# Altium PCB Proyecto_0 - V2.PcbDoc (part 5 of 6)
Units mil, origin at the board's own origin, x right, y up, seen from the top; angles counter-clockwise.
Board outline 2559.06 x 1771.65 mil, 10 copper layers (TOP, GND[1], VDD[1], Signal[1], GND[2], VDD[2], Signal[2], GND[3], VDD[3], BOT), stack 79.883 mil thick; 188 components, 257 nets, 1108 pads, 915 vias.
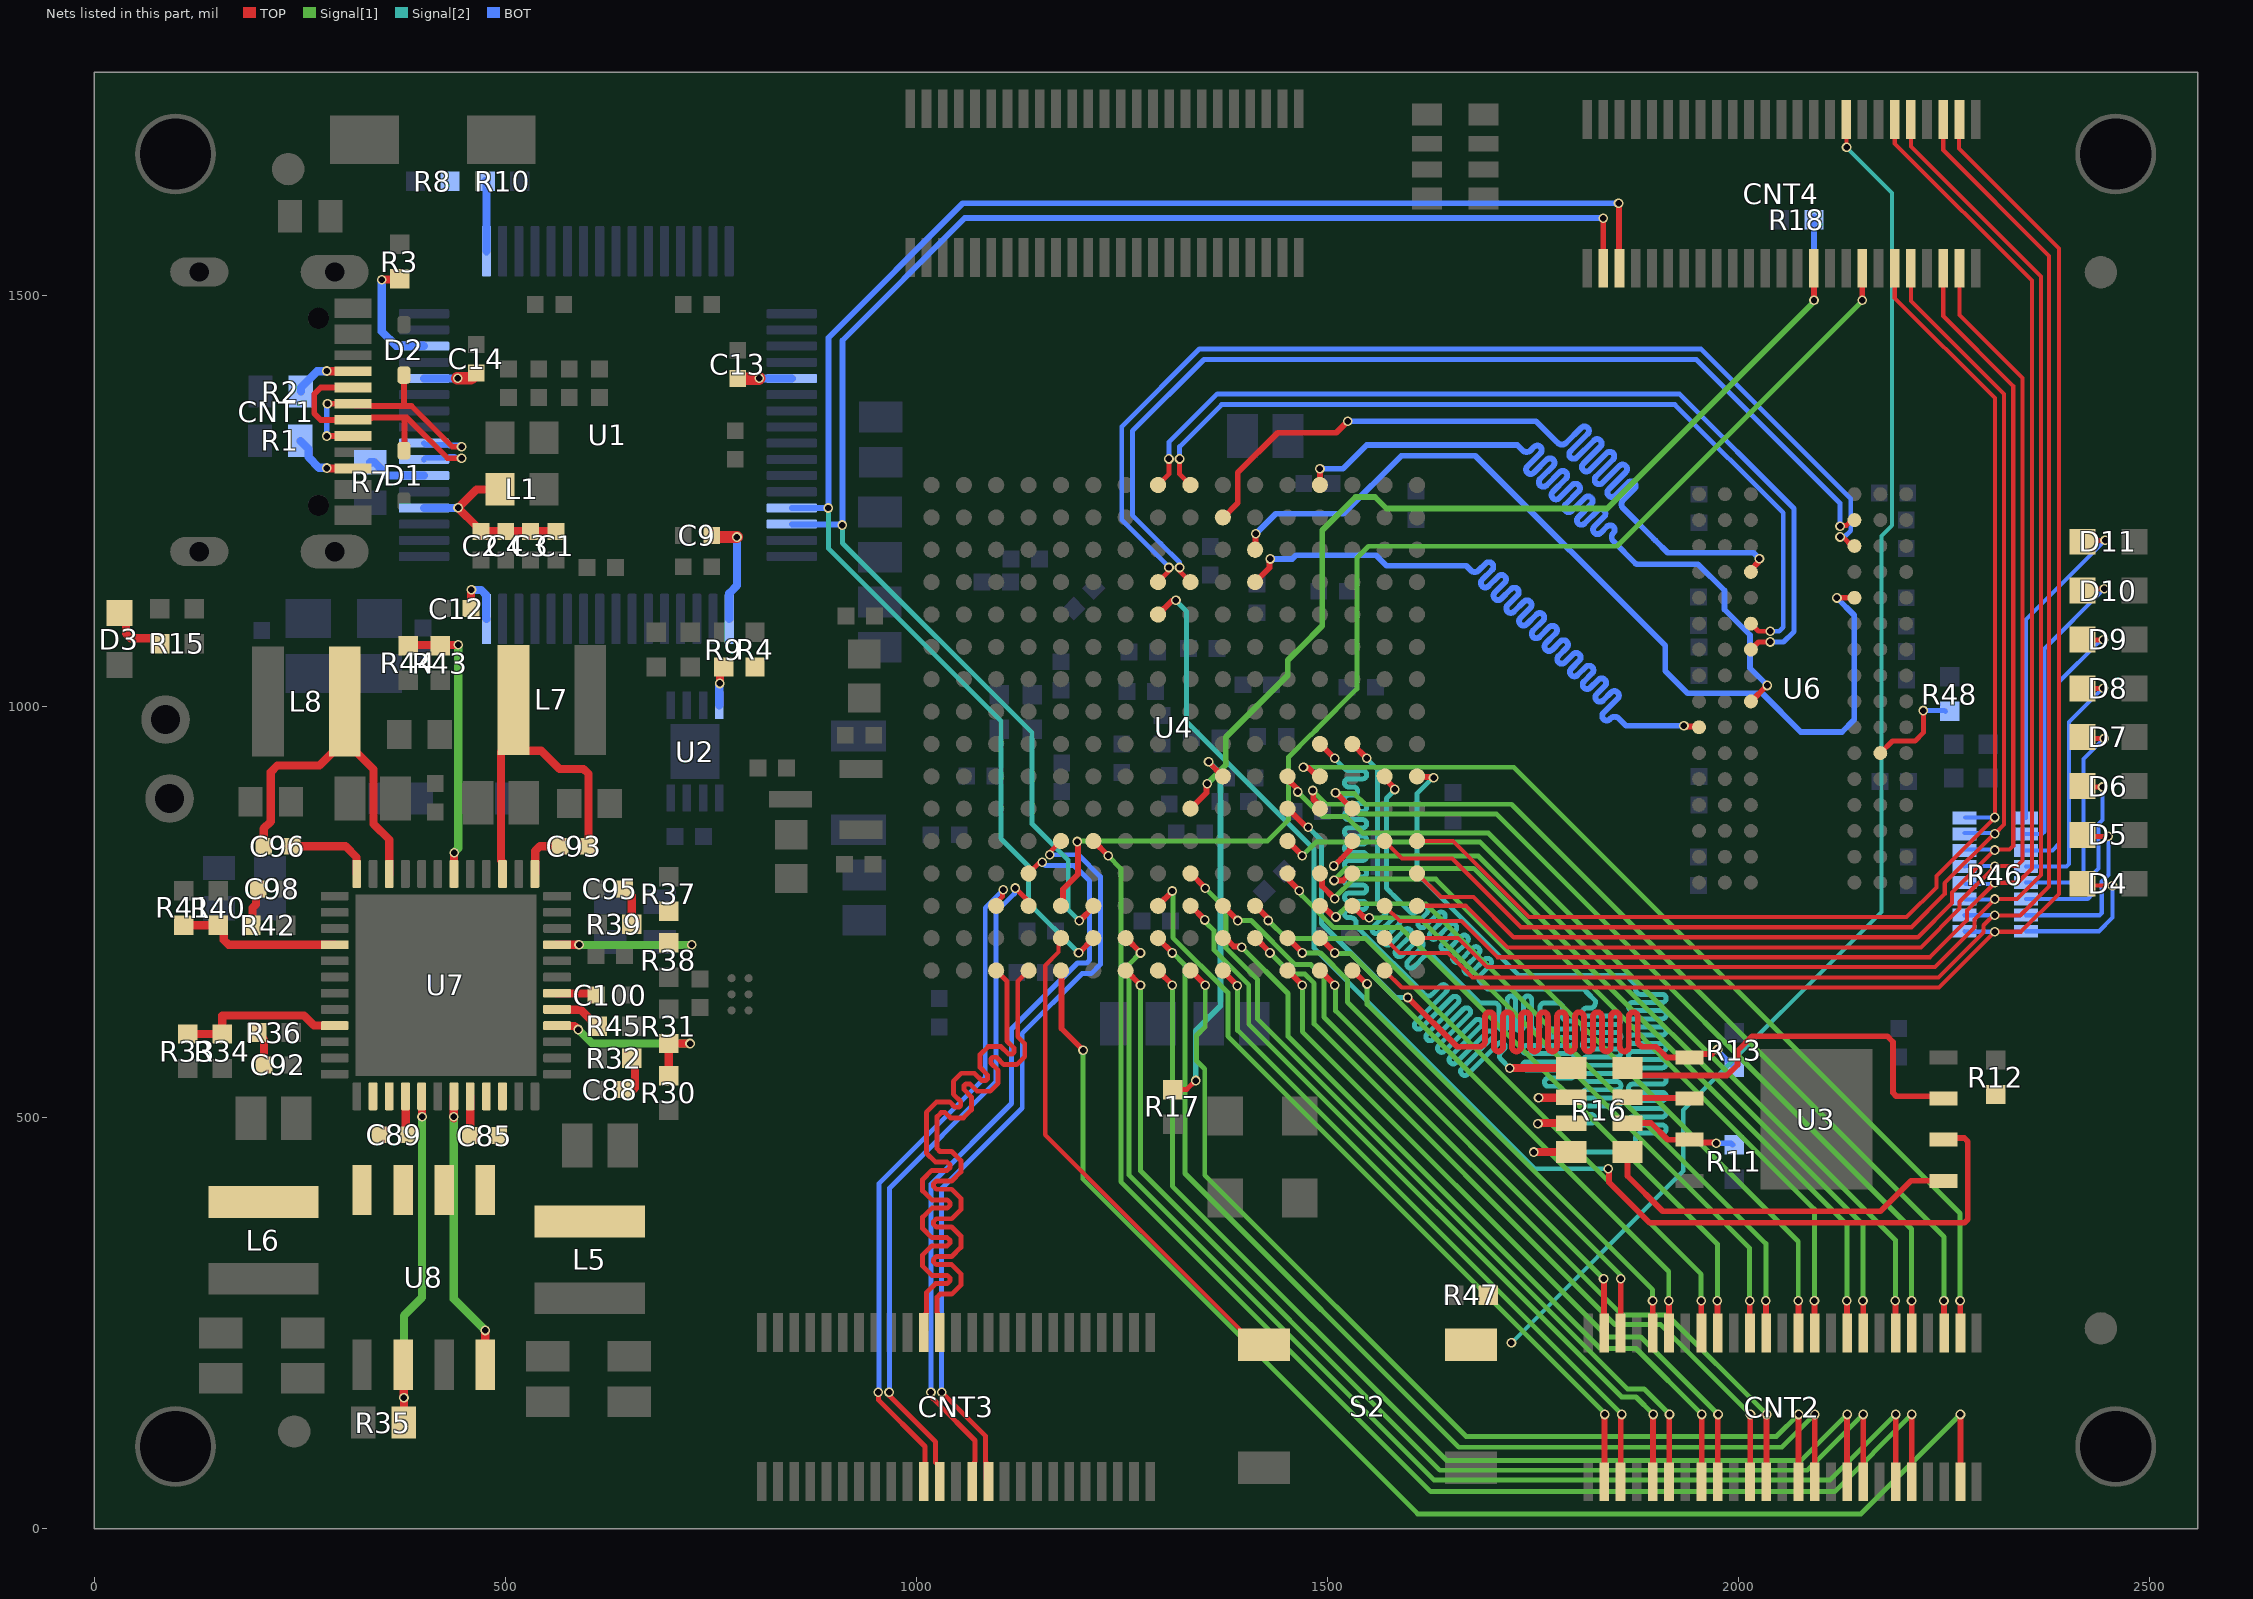
[diagram p13: the nets of this part, all layers, seen from the top]

## Via types
v1: diameter 11.81, hole 7.87, TOP to BOT, 915 vias

## Nets (pads, with @x,y where several pads share a name; then routed paths per layer and width w, separated by ;. In a path a pad name is that pad's centre, name@x,y a point inside that pad or via, vN(x,y) a via of type N, cw(c..) or ccw(c..) an arc to the next point about the centre after c; other vN are vias at no path point) (continued)
L7_N: CNT3.11 U4.T3 | length 783.6
  TOP w6: CNT3.11@1009.11,238.55 1012.02,241.46 1012.02,262.25 1012.45,262.69 1012.45,269 1012.45,286.99 1023.58,298.12 1037.8,298.12 1041.28,301.6 1041.28,304.58 1037.8,308.06 1019.02,308.06 1007.92,319.15 1007.92,332.9 1019.02,343.99 1037.8,343.99 1041.28,347.47 1041.28,350.45 1037.8,353.93 1019.02,353.93 1007.92,365.02 1007.92,378.77 1019.02,389.87 1037.8,389.87 1041.28,393.34 1041.28,396.33 1037.8,399.8 1019.02,399.8 1007.92,410.9 1007.92,424.65 1019.02,435.74 1037.8,435.74 1041.28,439.22 1041.28,442.2 1037.8,445.68 1023.58,445.68 1012.45,456.81 1012.45,469 1012.45,485.35 1012.45,506.45 1024.98,518.98 1040.72,518.98 1047.16,512.54 1052.08,512.54 1054.19,514.64 1054.19,519.56 1045.3,528.45 1045.3,544.14 1055.02,553.87 1070.71,553.87 1079.6,544.97 1084.52,544.97 1086.63,547.08 1086.63,552 1077.73,560.89 1077.73,576.58 1087.46,586.3 1103.15,586.3 1112.04,577.41 1116.96,577.41 1119.06,579.52 1119.06,584.44 1110.54,592.96 1110.54,613.63 1110.54,665.6 U4.T3@1097.35,678.78
L7_P: CNT3.12 U4.T4 | length 783.6
  TOP w6: CNT3.12@1028.8,238.55 1025.89,241.46 1025.89,262.25 1025.45,262.69 1025.45,269 1025.45,281.6 1028.97,285.12 1043.18,285.12 1054.28,296.21 1054.28,309.96 1043.18,321.06 1024.4,321.06 1020.92,324.53 1020.92,327.51 1024.4,330.99 1043.18,330.99 1054.28,342.09 1054.28,355.84 1043.18,366.93 1024.4,366.93 1020.92,370.41 1020.92,373.39 1024.4,376.87 1043.18,376.87 1054.28,387.96 1054.28,401.71 1043.18,412.8 1024.4,412.8 1020.92,416.28 1020.92,419.26 1024.4,422.74 1043.18,422.74 1054.28,433.83 1054.28,447.58 1043.18,458.68 1028.97,458.68 1025.45,462.19 1025.45,469 1025.45,472.35 1025.45,501.07 1030.36,505.98 1035.33,505.98 1041.78,499.54 1057.47,499.54 1067.19,509.26 1067.19,524.95 1058.3,533.84 1058.3,538.76 1060.41,540.87 1065.32,540.87 1074.22,531.97 1089.9,531.97 1099.63,541.7 1099.63,557.39 1090.73,566.28 1090.73,571.2 1092.84,573.3 1097.76,573.3 1106.65,564.41 1122.34,564.41 1132.06,574.14 1132.06,589.82 1123.54,598.35 1123.54,612.95 1123.54,665.6 U4.T4@1136.72,678.78
L8_N: CNT3.40 U4.P3 | length 829.6
  TOP w6: v1@954,162 954,156.62 1010.66,99.95 1010.66,59 CNT3.40@1009.11,57.45 ; U4.P3@1097.35,757.52 1097.35,761.23 1104.79,768.67 1104.79,775.89 v1(1105.91,777)
  BOT w6: v1@954,162 v1(954,166) 954.52,166.52 954.52,419.52 1084,549 1084,755.09 v1(1105.91,777)
L8_P: CNT3.39 U4.P4 | length 839.9
  TOP w6: v1@967,162 1023.66,105.34 1023.66,80.3 1028.8,75.17 CNT3.39@1028.8,57.45 ; v1(1120.48,779.09) 1134.11,765.46 1134.11,760.14 U4.P4@1136.72,757.52
  BOT w6: v1@967,162 967,164.49 968.51,166 967.52,166.99 967.52,414.13 1097,543.62 1097,749.71 1119.37,772.08 1119.37,777.98 v1(1120.48,779.09)
  other v1: 967,166
L9_N: CNT3.37 U4.N4 | length 929.9
  TOP w6: v1@1018,160.62 1025.62,153 1071.51,107.11 1071.51,81.59 1071.07,81.15 1071.07,60.35 CNT3.37@1068.17,57.45 ; v1@1018,164.65 v1@1018,167.35 ; U4.N4@1136.72,796.89 1150.23,810.4 v1(1153.4,810.4)
  BOT w6: v1@1018,163 v1(1018,166) 1018,419 1116,517 1116,607.75 1196.25,688 1207.49,688 1211,691.51 1211,787.62 1192.02,806.59 1157.21,806.59 v1(1153.4,810.4)
L9_P: CNT3.36 U4.M5 | length 943.3
  TOP w6: v1(1031,166) 1084.51,112.49 1084.51,81.59 1084.94,81.15 1084.94,60.35 CNT3.36@1087.85,57.45 ; v1(1162.59,819.59) 1162.59,822.76 U4.M5@1176.09,836.26
  BOT w6: v1@1031,163 v1(1031,166) 1031,413.62 1129,511.62 1129,602.36 1201.64,675 1212.87,675 1224,686.13 1224,793 1197.41,819.59 v1(1162.59,819.59)
L13: CNT2.17 U4.M14 | length 986
  TOP w7: v1(1508.02,806.02) 1516.59,814.59 1528,826 1528,833.84 U4.M14@1530.42,836.26 ; v1(2131.89,277) 2132.08,276.81 2132.08,238.3 CNT2.17@2132.17,238.21
  Signal[1] w6: v1(1508.02,806.02) 1520,818 1684,818 2132.06,369.95 v1@2132.06,277.17 ; v1@2131.89,276.92 v1@2132.06,277.08
LDM: U4.C11 U6.E7 | length 1128.6
  TOP w7: U4.C11@1412.31,1190.6 1412.66,1190.94 1412.66,1209.66 v1(1413,1210) ; v1(2119.92,1131.93) 2120.16,1132.17 U6.E7@2141.2,1132.17
  BOT w7: v1(1413,1210) 1437.34,1234.34 1519.47,1234.34 1590.13,1305 1680,1305 1911,1074 1911,1043 1938,1016 2029,1016 2076,969 2126,969 2141,984 2141,1110.84 v1(2119.92,1131.93)
LDQS_N: U4.A8 U6.G3 | length 1111
  TOP w6: U4.A8@1294.2,1269.34 1307.39,1282.52 v1(1307.39,1301) ; U6.G3@2015.22,1069.18 2024.46,1078.43 v1(2038.7,1078.43)
  BOT w6: v1(1307.39,1301) 1307.39,1321.39 1366.15,1380.15 1928.23,1380.15 2067.6,1240.78 2067.6,1091.04 2054.99,1078.43 v1(2038.7,1078.43)
LDQS_P: U4.A9 U6.F3 | length 1046.4
  TOP w6: v1(1320.39,1301) 1320.39,1282.52 U4.A9@1333.57,1269.34 ; U6.F3@2015.22,1100.67 2024.46,1091.43 v1(2038.7,1091.43)
  BOT w6: v1(1320.39,1301) 1320.39,1316 1371.54,1367.15 1922.85,1367.15 2054.6,1235.4 2054.6,1096.43 2049.6,1091.43 v1(2038.7,1091.43)
LED0: CNT4.49 R46.1 U4.T15 | length 1905.8
  TOP w5: U4.T15@1569.79,678.78 1590.58,658 2244,658 v1(2312,726) 2344,726 2390,772 2390,1557 2268.43,1678.57 2268.43,1713.52 CNT4.49@2268.91,1714
  BOT w5: R46.1@2275,726.57 2275.57,726 v1(2312,726)
LED1: CNT4.48 R46.2 U4.R15 | length 1902.6
  TOP w5: U4.R15@1569.79,718.15 1587.95,700 1647,700 1676.76,670.24 2243.24,670.24 2298,725 2298,733.84 2310.16,746 v1@2312,746 ; CNT4.48@2249.22,1714 2249.22,1676.78 2378,1548 2378,781 2342.86,745.86 v1(2312,745.86)
  BOT w5: R46.2@2275,746.26 2275.26,746 v1@2312,746
LED2: CNT4.46 R46.3 U4.R16 | length 1833.3
  TOP w5: U4.R16@1609.16,718.15 1659,718.15 1694.15,683 2239,683 2287,731 2287,740.71 v1(2312,765.71) 2338.71,765.71 2368,795 2368,1523 2210,1681 CNT4.46@2210,1700
  BOT w5: R46.3@2275,765.94 2275.94,765 v1@2312,765
LED3: CNT4.45 R46.4 U4.P15 | length 1882.4
  TOP w5: U4.P15@1569.79,757.52 1588.32,739 1663,739 1707,695 2233,695 2278,740 2278,751.57 v1(2312,785.57) 2339.57,785.57 2357,803 2357,1518 2190.17,1684.83 CNT4.45@2190.17,1714
  BOT w5: R46.4@2275,785.63 2276.63,784 v1@2312,784
LED4: CNT4.2 R46.5 U4.P16 | length 1595
  TOP w5: U4.P16@1609.16,757.52 1668.48,757.52 1719.04,706.96 2221.96,706.96 2269,754 2269,762.43 v1(2312,805.43) ; CNT4.2@2268.91,1532.9 2268.91,1476.09 2345.43,1399.57 2345.43,812.43 2339,806 v1@2312,806
  BOT w5: R46.5@2275,805.32 2275.69,806 v1@2312,806
LED5: CNT4.3 R46.6 U4.N16 | length 1585.2
  TOP w5: U4.N16@1609.16,796.89 1638.06,768 1678,768 1726.8,719.2 2218.2,719.2 2259.84,760.84 2259.84,773.84 2312,826 2330,826 2334.29,830.29 2334.29,1389.71 2249.22,1474.78 CNT4.3@2249.22,1532.9
  BOT w5: R46.6@2275.57,826 v1@2312,826
  other v1: 2312,825.29
LED6: CNT4.5 R46.7 U4.M15 | length 1616.7
  TOP w5: U4.M15@1569.79,836.26 1591.06,815 1652,815 1735.56,731.44 2210.44,731.44 2251,772 2251,785 v1@2312,846 ; CNT4.5@2209.85,1532.9 2209.85,1493.15 2323.14,1379.86 2323.14,856.29 v1(2312,845.14)
  BOT w5: R46.7@2275.26,846 v1@2312,846
LED7: CNT4.6 R46.8 U4.M16 | length 1554.1
  TOP w5: U4.M16@1609.16,836.26 1652.74,836.26 1745.32,743.68 2204.68,743.68 2241,780 2241,794 v1(2312,865) 2312,1375 2190.17,1496.83 CNT4.6@2190.17,1532.9
  BOT w5: R46.8@2275.94,865 v1(2312,865)
LED_1: D4.A R46.16 | length 185.8
  TOP w5: D4.A@2421,784 2423,782 v1(2455,782)
  BOT w5: R46.16@2349.8,726.57 2438.49,726.57 2455,743.09 v1(2455,782)
LED_2: D5.A R46.15 | length 220.8
  TOP w6: D5.A@2418.65,843.75 2420.4,842 v1(2450,842)
  BOT w5: R46.15@2349.8,746.26 2350.06,746 2439.07,746 2442,748.93 2442,787 2450,795 v1@2450,838 ; v1@2448,840 v1(2450,842)
LED_3: D6.A R46.14 | length 243.5
  TOP w6: D6.A@2418.65,903.18 2419.83,902 v1(2443,902)
  BOT w5: R46.14@2349.8,765.94 2424.94,765.94 2430,771 2430,795 2438,803 2438,857 2443,862 v1(2443,902)
LED_4: D7.A R46.13 | length 282.1
  TOP w6: D7.A@2418.05,962 D7.A@2418.65,962.61 2420.26,961 v1(2445,961)
  BOT w5: R46.13@2349.8,785.63 2417.07,785.63 2420,788.56 2420,936 v1(2445,961)
LED_5: D8.A R46.12 | length 311.4
  TOP w6: D8.A@2417.62,1021 D8.A@2418.65,1022.03 ; D8.A@2419.26,1022 v1(2444,1022)
  BOT w5: R46.12@2349.8,805.32 2399.07,805.32 2402,808.24 2402,981 2443,1022 v1@2443,1023
LED_6: D9.A R46.11 | length 341.6
  TOP w6: D9.A@2417.12,1083 D9.A@2418.65,1081.46 ; D9.A@2419.26,1081 v1(2444,1081)
  BOT w5: R46.11@2349.8,825 2382,825 2390,833 2390,1030 2438.02,1078.02 2439.18,1078.02 2442,1080.84 v1@2442,1082
LED_7: D10.A R46.10 | length 376.4
  TOP w6: D10.A@2418.54,1141 2420.54,1143 v1(2445,1143)
  BOT w5: R46.10@2349.8,844.68 2369.24,844.68 2372.17,847.61 2372.17,1070.17 v1(2445,1143)
LED_8: D11.A R46.9 | length 405.5
  TOP w6: D11.A@2418.65,1200.32 2420.33,1202 v1(2446,1202)
  BOT w5: R46.9@2349.8,864.37 2349.8,1105.8 v1(2446,1202)
M6: CNT2.23 U4.L14 | length 1108.4
  TOP w7: v1(1510,894.91) 1510.58,894.91 1529.65,875.83 U4.L14@1529.79,875.83 ; v1(2250,277) 2250.19,276.81 2250.19,238.3 CNT2.23@2250.28,238.21
  Signal[1] w6: v1(1510,894.91) 1510.91,894 1533,894 1546,881 1724,881 2250.17,354.83 v1@2250.17,277.17 ; v1@2250,276.92 v1@2250.17,277.08
M15: CNT2.49 U4.P8 | length 961
  TOP w7: U4.P8@1294.4,758.15 1294.52,758.15 1311.59,775.22 v1(1311.59,775.53) ; CNT2.49@1836.94,57.17 1837.26,57.48 1837.26,138.64 v1(1837.52,138.9)
  Signal[1] w6: v1(1311.59,775.53) 1312.17,774.96 1312.17,718.83 1379,652 1379,599 1834.61,143.39 1837.52,140.47 v1(1837.52,138.9)
N6: CNT2.18 U4.M12 | length 1037.6
  TOP w7: U4.M12@1452.31,836.07 v1@1469.69,818.69 ; v1(2151.57,277) 2151.77,276.81 2151.77,238.3 CNT2.18@2151.85,238.21
  Signal[1] w6: v1(1469.69,818.3) 1486.3,834.91 1686.09,834.91 2151.74,369.26 v1@2151.74,277.17 ; v1@2151.57,276.92 v1@2151.74,277.08
N9: CNT2.37 U4.T9 | length 1211
  TOP w7: U4.T9@1334.2,678.59 v1@1351.58,661.21 ; CNT2.37@2073.17,57.17 2073.24,57.24 v1@2073.24,138.98
  Signal[1] w6: v1(1351.58,660.82) 1351.58,610.33 1341,599.74 1341,569 1351,559 1351,430 1669,112 2046.26,112 v1@2073.26,139
  other v1: 2073.26,138.9
N11: CNT2.8 U4.P11 | length 799.9
  TOP w7: U4.P11@1412.94,757.33 1427.38,742.89 1427.38,740.56 v1(1428.3,739.64) ; v1(1954.72,277) 1954.92,276.81 1954.92,238.3 CNT2.8@1955,238.21
  Signal[1] w6: v1(1428.3,739.64) 1449.94,718 1546,718 1954.72,309.28 v1(1954.72,277)
N12: CNT2.9 U4.N12 | length 822.6
  TOP w7: U4.N12@1452.31,796.7 1454.11,794.9 1454.11,787.89 v1(1466,776) ; v1(1974.41,277) 1974.6,276.81 1974.6,238.3 CNT2.9@1974.69,238.21
  Signal[1] w6: v1(1466,776) 1466,774.43 1468.91,771.52 1468.91,770.19 1508.09,731 1589.58,731 1974.41,346.17 v1(1974.41,277)
N13: CNT2.46 U4.P9 | length 943.6
  TOP w7: U4.P9@1334.2,757.33 1350.89,740.64 v1(1350.89,740.36) ; CNT2.46@1896,57.17 1896.31,57.48 1896.31,138.64 v1(1896.57,138.9)
  Signal[1] w6: v1(1350.89,740.36) 1350.89,738.79 1353.8,735.88 1353.8,735.78 1362,727.57 1362,704 1404.5,661.5 1404.5,613.5 1858,160 1875.47,160 v1(1896.57,138.9)
NetC85_1: C85.1 U7.32 | length 47.8
  TOP w10: U7.32@457.53,525.76 457.6,525.69 457.6,478.07 C85.1@457.68,478
NetC85_2: C85.2 L5.1 U7.33 U7.34 U8.5 U8.6
NetC88_2: C88.2 R32.1 | length 39.5
  TOP w10: 656.32,534 658.16,535.84 658.16,570.16 R32.1@660,572
NetC89_1: C89.1 U7.28 | length 48.2
  TOP w10: U7.28@378.79,525.76 379.1,525.45 379.1,482.22 C89.1@382.32,479
NetC89_2: C89.2 L6.1 U7.26 U7.27 U8.7 U8.8
NetC92_2: C92.2 R36.1 | length 43
  TOP w10: R36.1@198,603.39 206.68,594.72 C92.2@206.68,564
NetC93_1: C93.1 U7.1 | length 60.6
  TOP w10: U7.1@536.27,796.24 536.58,796.55 536.58,824.14 542.44,830 C93.1@566.68,830
NetC93_2: C93.2 L7.1 U7.3 | length 415.5
  TOP w10: U7.3@496.9,796.24 496.58,796.55 496.58,810.95 495,812.53 495,945.02 L7.1@510.35,960.36 ; L7.1@510.35,1008 L7.1@510.35,960.36 ; C93.2@601.32,830 601.32,918.14 595.46,924 566.13,924 544.06,946.07 524.64,946.07 L7.1@510.35,960.36
NetC95_2: C95.2 R39.1 | length 46.6
  TOP w10: C95.2@645.32,778 654,769.32 R39.1@654,735
NetC96_1: C96.1 U7.12 | length 104.4
  TOP w10: C96.1@241.01,830 306,830 319.42,816.58 319.42,796.55 U7.12@319.73,796.24
NetC96_2: C96.2 L8.1 U7.10 | length 419.8
  TOP w10: C96.2@206.36,830 206.36,851.36 215,860 215,920.14 222.86,928 274.38,928 L8.1@305,958.62 ; L8.1@305,994 L8.1@305,958.62 ; U7.10@359.1,796.24 359.1,837.9 340,857 340,923.62 L8.1@305,958.62
NetC98_2: C98.2 R42.1 | length 47.6
  TOP w10: R42.1@191,734 192.81,735.81 192.81,754.95 196.92,759.07 196.92,775.25 C98.2@199.68,778
NetC100_2: C100.2 U7.42 | length 48.3
  TOP w10: U7.42@563.24,651.16 563.55,650.84 608.83,650.84 C100.2@610.68,649
NetCNT1_A5: CNT1.A5 R2.1 | length 76.9
  TOP w10: v1(283,1408) 283.42,1407.58 CNT1.A5@315.13,1407.58
  BOT w10: R2.1@251.61,1383 251.61,1387.92 271.34,1407.65 282.65,1407.65 v1(283,1408)
NetCNT1_B5: CNT1.B5 R1.1 | length 83.3
  TOP w10: v1@283.42,1289.47 CNT1.B5@315.13,1289.47
  BOT w10: R1.1@251,1323 260.76,1313.24 260.76,1303.24 273.76,1290.24 282.65,1290.24 v1(283,1289.89)
NetD3_A: D3.A R15.2 | length 73.5
  TOP w10: D3.A@31,1113.5 38.88,1105.61 38.88,1088.67 44.74,1082.81 72.19,1082.81 R15.2@79,1076
NetR3_2: R3.2 U1.14 | length 144.1
  TOP w10: v1(350,1519) 350.35,1519.35 371.35,1519.35 R3.2@372,1520
  BOT w10: v1(350,1519) 350,1456 367.22,1438.78 400.87,1438.78 U1.14@401.38,1438.27
NetR4_1: R4.1 R9.1 U2.4 | length 48.8
  TOP w10: v1(761,1028) 761.35,1028.35 761.35,1043.35 R9.1@766,1048
  BOT w10: U2.4@760.53,1001.5 760.53,1027.53 v1(761,1028)
NetR7_2: R7.2 U1.6 | length 72.4
  BOT w10: R7.2@336,1297 340.92,1297 350.69,1287.24 350.69,1286.65 356.54,1280.79 U1.6@401.38,1280.79
NetR8_1: R8.1 R10.2 U1.17 | length 85.9
  BOT w10: R10.2@476,1639 477.36,1637.64 U1.17@477.36,1553.62
NetR17_1: R17.1 U4.K10 | length 463.3
  TOP w6: R17.1@1312,534 1312.3,534.3 1329.3,534.3 v1(1340,545)
  TOP w7: v1@1355.57,932.38 U4.K10@1372.94,915
  Signal[2] w7: v1(1340,545) 1340,606 1370,636 1370,918.34 v1(1355.57,932.77)
NetR30_1: R30.1 R31.1 U7.40 | length 235.8
  TOP w10: U7.40@563.24,611.79 563.55,611.47 584.53,611.47 v1(589,607) ; R30.1@699,551 R31.1@699,590 v1(725,590)
  Signal[1] w10: v1(589,607) 606,590 v1(725,590)
NetR33_1: R33.1 R34.1 U7.21 | length 206.2
  TOP w10: R33.1@114,601.62 R34.1@156,601.62 156,624 255.39,624 267.61,611.79 U7.21@292.76,611.79
NetR35_1: R35.1 U7.29 U8.2 | length 448.1
  TOP w10: U8.2@376,199.4 376.65,198.75 376.65,159.35 v1(377,159) 376.89,158.89 376.89,129.29 R35.1@376.61,129 ; U7.29@398.47,525.76 398.79,525.45 398.79,501.21 v1(399,501)
  Signal[1] w10: v1@377,158 377,259 399,281 v1(399,501)
NetR37_1: R37.1 R38.1 U7.45 | length 164.6
  TOP w10: U7.45@563.24,710.21 563.34,710.11 589.89,710.11 v1(590,710) ; R38.1@699,712.57 R38.1@699.22,712.78 ; v1@726.51,710 v1(727,710)
  Signal[1] w10: v1(590,710) v1(727,710)
NetR40_1: R40.1 R41.1 U7.16 | length 200.2
  TOP w10: R41.1@109,733.91 109.04,733.96 R40.1@151,734 R40.1@151,734 157.81,727.19 157.81,716.07 163.67,710.21 U7.16@292.76,710.21
NetR43_1: R43.1 R44.1 U7.6 | length 342.5
  TOP w10: R44.1@382,1073.62 383.04,1074.65 442.65,1074.65 v1(443,1075) ; U7.6@437.84,796.24 438,796.39 437.92,796.47 437.92,821.92 v1(438,822)
  Signal[1] w10: v1(438,822) 438,822.49 443,827.49 v1(443,1075)
NetR45_2: R45.2 U7.41 | length 57.2
  TOP w10: U7.41@563.24,631.47 563.55,631.16 591.84,631.16 R45.2@612,611
NetR48_1: R48.1 U6.L8 | length 117
  TOP w6: U6.L8@2172.7,943.19 2187.5,958 2215,958 2225,968 v1(2225,995)
  BOT w6: v1(2225,995) 2251,995 R48.1@2252,994
NetU7_31: U7.31 U8.4 | length 342.5
  TOP w10: v1@437.68,499 v1@437.84,499.16 ; v1(437.68,501) 437.68,525.61 U7.31@437.84,525.76 ; U8.4@476,199.4 v1(476,241)
  Signal[1] w10: v1(437.68,501) 437.68,279.31 v1(476,241)
ODT: U4.D11 U6.K1 | length 1141.1
  TOP w7: U4.D11@1412.31,1151.23 1429.81,1168.72 1429.81,1178.42 v1(1430.73,1179.34) ; v1(1933.78,976.64) 1934.7,975.72 1951.19,975.72 U6.K1@1952.22,974.69
  BOT w7: v1(1430.73,1179.34) 1457.54,1179.34 1462.03,1183.84 1559.16,1183.84 1572,1171 1669,1171 1672,1168 1674.47,1165.53 ccw(c1679.42,1170.47) 1684.37,1165.52 1692.69,1173.84 cw(c1696.56,1169.98) 1700.43,1173.84 cw(c1696.56,1169.98) 1700.43,1166.11 1688.37,1154.05 ccw(c1692.24,1150.18) 1688.37,1146.32 ccw(c1692.24,1150.18) 1696.1,1146.32 1708.16,1158.38 cw(c1712.03,1154.51) 1715.9,1158.38 cw(c1712.03,1154.51) 1715.9,1150.64 1703.83,1138.58 ccw(c1707.7,1134.72) 1703.83,1130.85 ccw(c1707.7,1134.72) 1711.57,1130.85 1723.63,1142.91 cw(c1727.5,1139.04) 1731.36,1142.91 cw(c1727.5,1139.04) 1731.36,1135.18 1719.32,1123.13 ccw(c1723.19,1119.27) 1719.32,1115.4 ccw(c1723.19,1119.27) 1727.05,1115.4 1739.1,1127.44 cw(c1742.96,1123.58) 1746.83,1127.44 cw(c1742.96,1123.58) 1746.83,1119.71 1734.81,1107.69 ccw(c1738.68,1103.82) 1734.81,1099.96 ccw(c1738.68,1103.82) 1742.54,1099.96 1754.56,1111.98 cw(c1758.43,1108.11) 1762.3,1111.98 cw(c1758.43,1108.11) 1762.3,1104.24 1750.3,1092.25 ccw(c1754.17,1088.38) 1750.3,1084.51 ccw(c1754.17,1088.38) 1758.03,1084.51 1770.03,1096.51 cw(c1773.9,1092.64) 1777.76,1096.51 cw(c1773.9,1092.64) 1777.76,1088.77 1765.79,1076.8 ccw(c1769.66,1072.93) 1765.79,1069.07 ccw(c1769.66,1072.93) 1773.52,1069.07 1783.45,1078.99 cw(c1787.31,1075.12) 1791.18,1078.99 cw(c1787.31,1075.12) 1791.18,1071.26 1781.28,1061.35 ccw(c1785.14,1057.48) 1781.28,1053.62 ccw(c1785.14,1057.48) 1789.01,1053.62 1798.85,1063.46 cw(c1802.72,1059.6) 1806.59,1063.46 cw(c1802.72,1059.6) 1806.59,1055.73 1796.76,1045.9 ccw(c1800.63,1042.03) 1796.76,1038.17 ccw(c1800.63,1042.03) 1804.49,1038.17 1814.35,1048.03 cw(c1818.22,1044.16) 1822.09,1048.03 cw(c1818.22,1044.16) 1822.09,1040.29 1812.24,1030.45 ccw(c1816.11,1026.58) 1812.24,1022.72 ccw(c1816.11,1026.58) 1819.98,1022.72 1829.85,1032.59 cw(c1833.71,1028.72) 1837.58,1032.59 cw(c1833.71,1028.72) 1837.58,1024.85 1827.73,1015 ccw(c1831.59,1011.13) 1827.73,1007.26 ccw(c1831.59,1011.13) 1835.46,1007.26 1845.35,1017.15 cw(c1849.21,1013.28) 1853.08,1017.15 cw(c1849.21,1013.28) 1853.08,1009.42 1835.95,992.29 ccw(c1839.82,988.42) 1835.95,984.55 ccw(c1839.82,988.42) 1843.68,984.55 1844.62,985.49 cw(c1849.56,980.54) 1854.51,985.49 1862.53,977.47 1863.36,976.64 1866.64,976.64 v1(1933.78,976.64)